# Altium PCB carrier_bak.PcbDoc (part 1 of 5)
Units mil, origin at the board's own origin, x right, y up, seen from the top; angles counter-clockwise.
Board outline 5511.81 x 3425.2 mil, 4 copper layers (Component Side, Power_layer1, Power_layer2, Solder Side), stack 65.912 mil thick; 375 components, 412 nets, 1874 pads, 645 vias.
Unrouted connection lines stored in the file: 33.
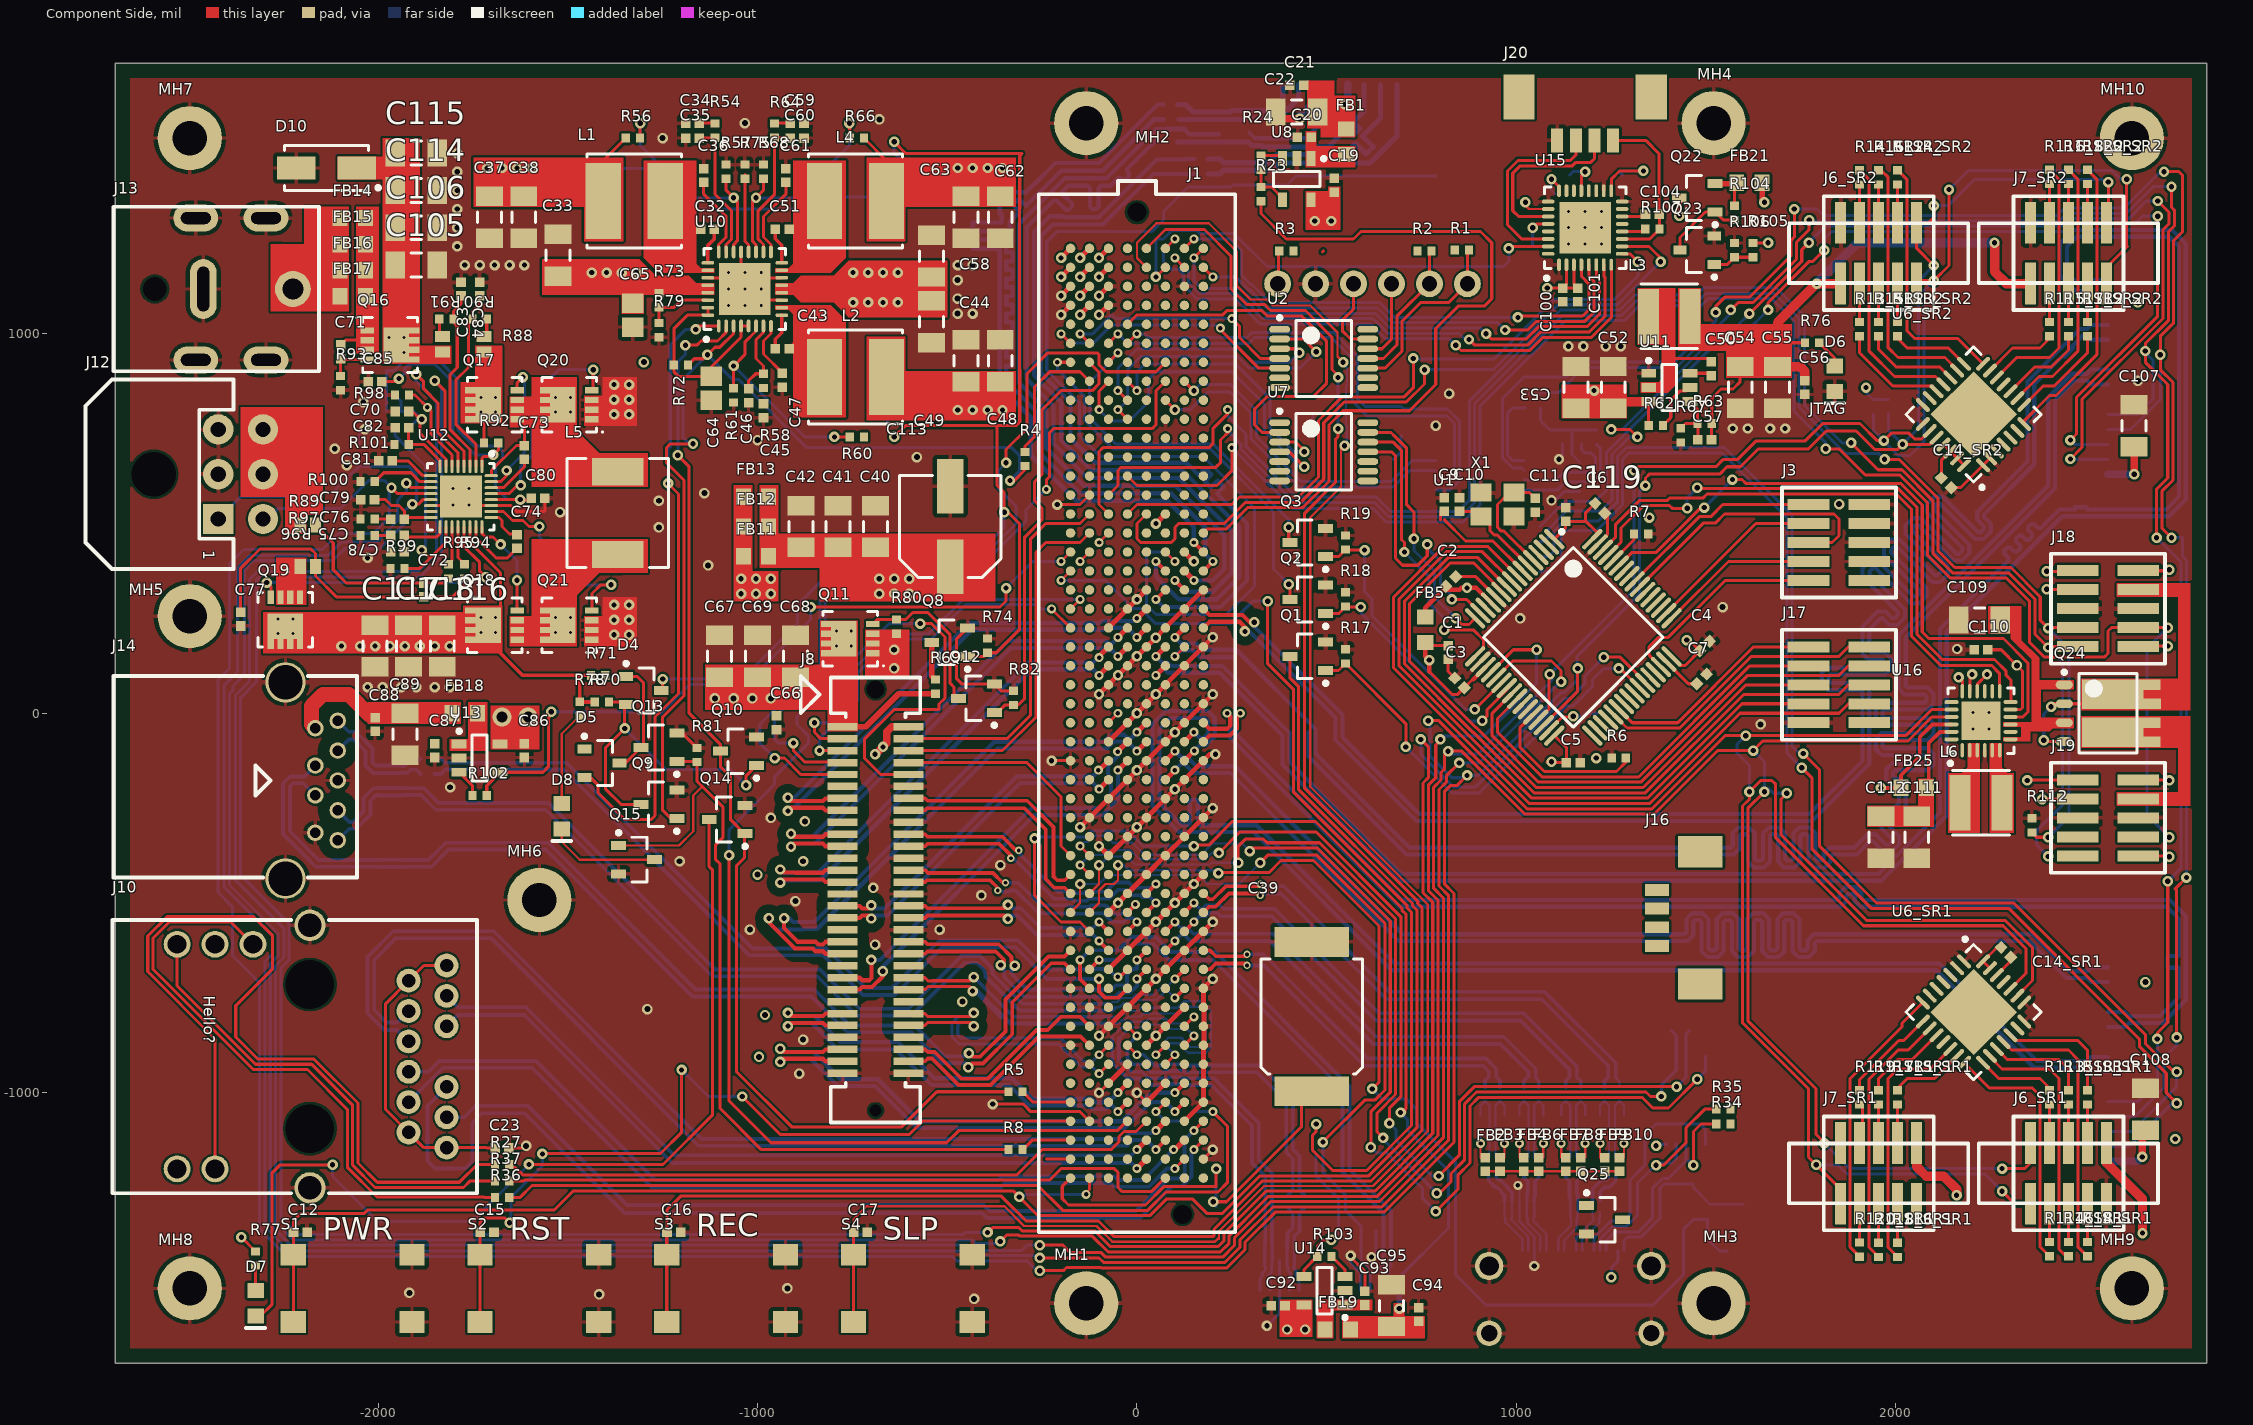
[diagram p0: Component Side view]
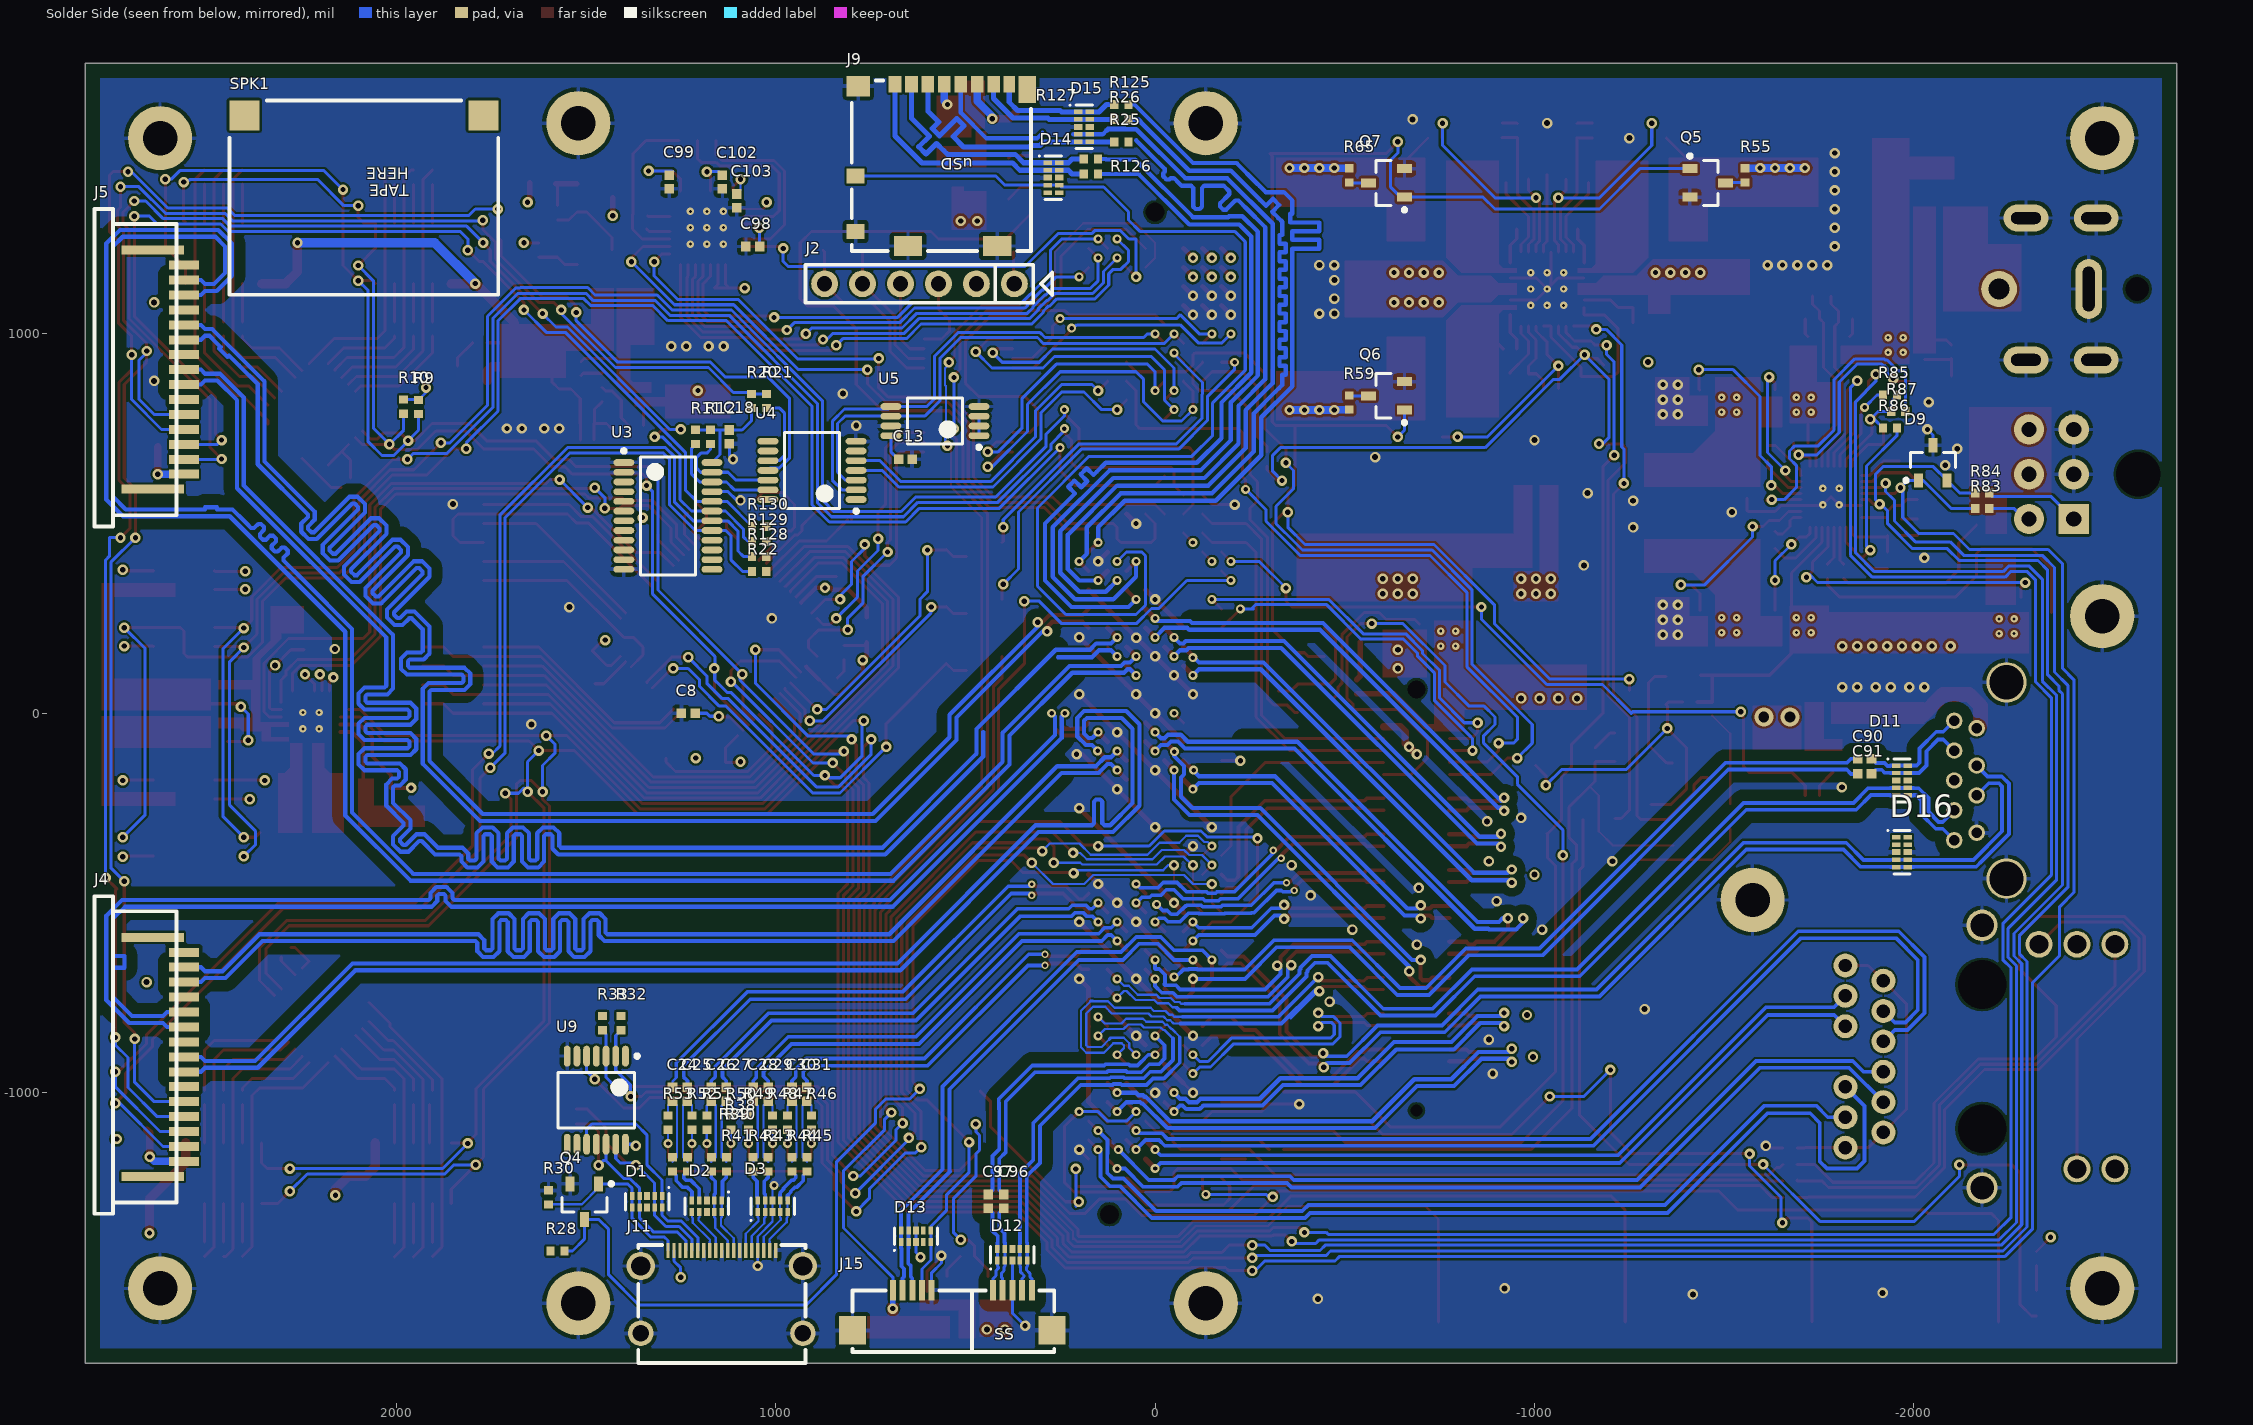
[diagram p1: Solder Side view, seen from below]
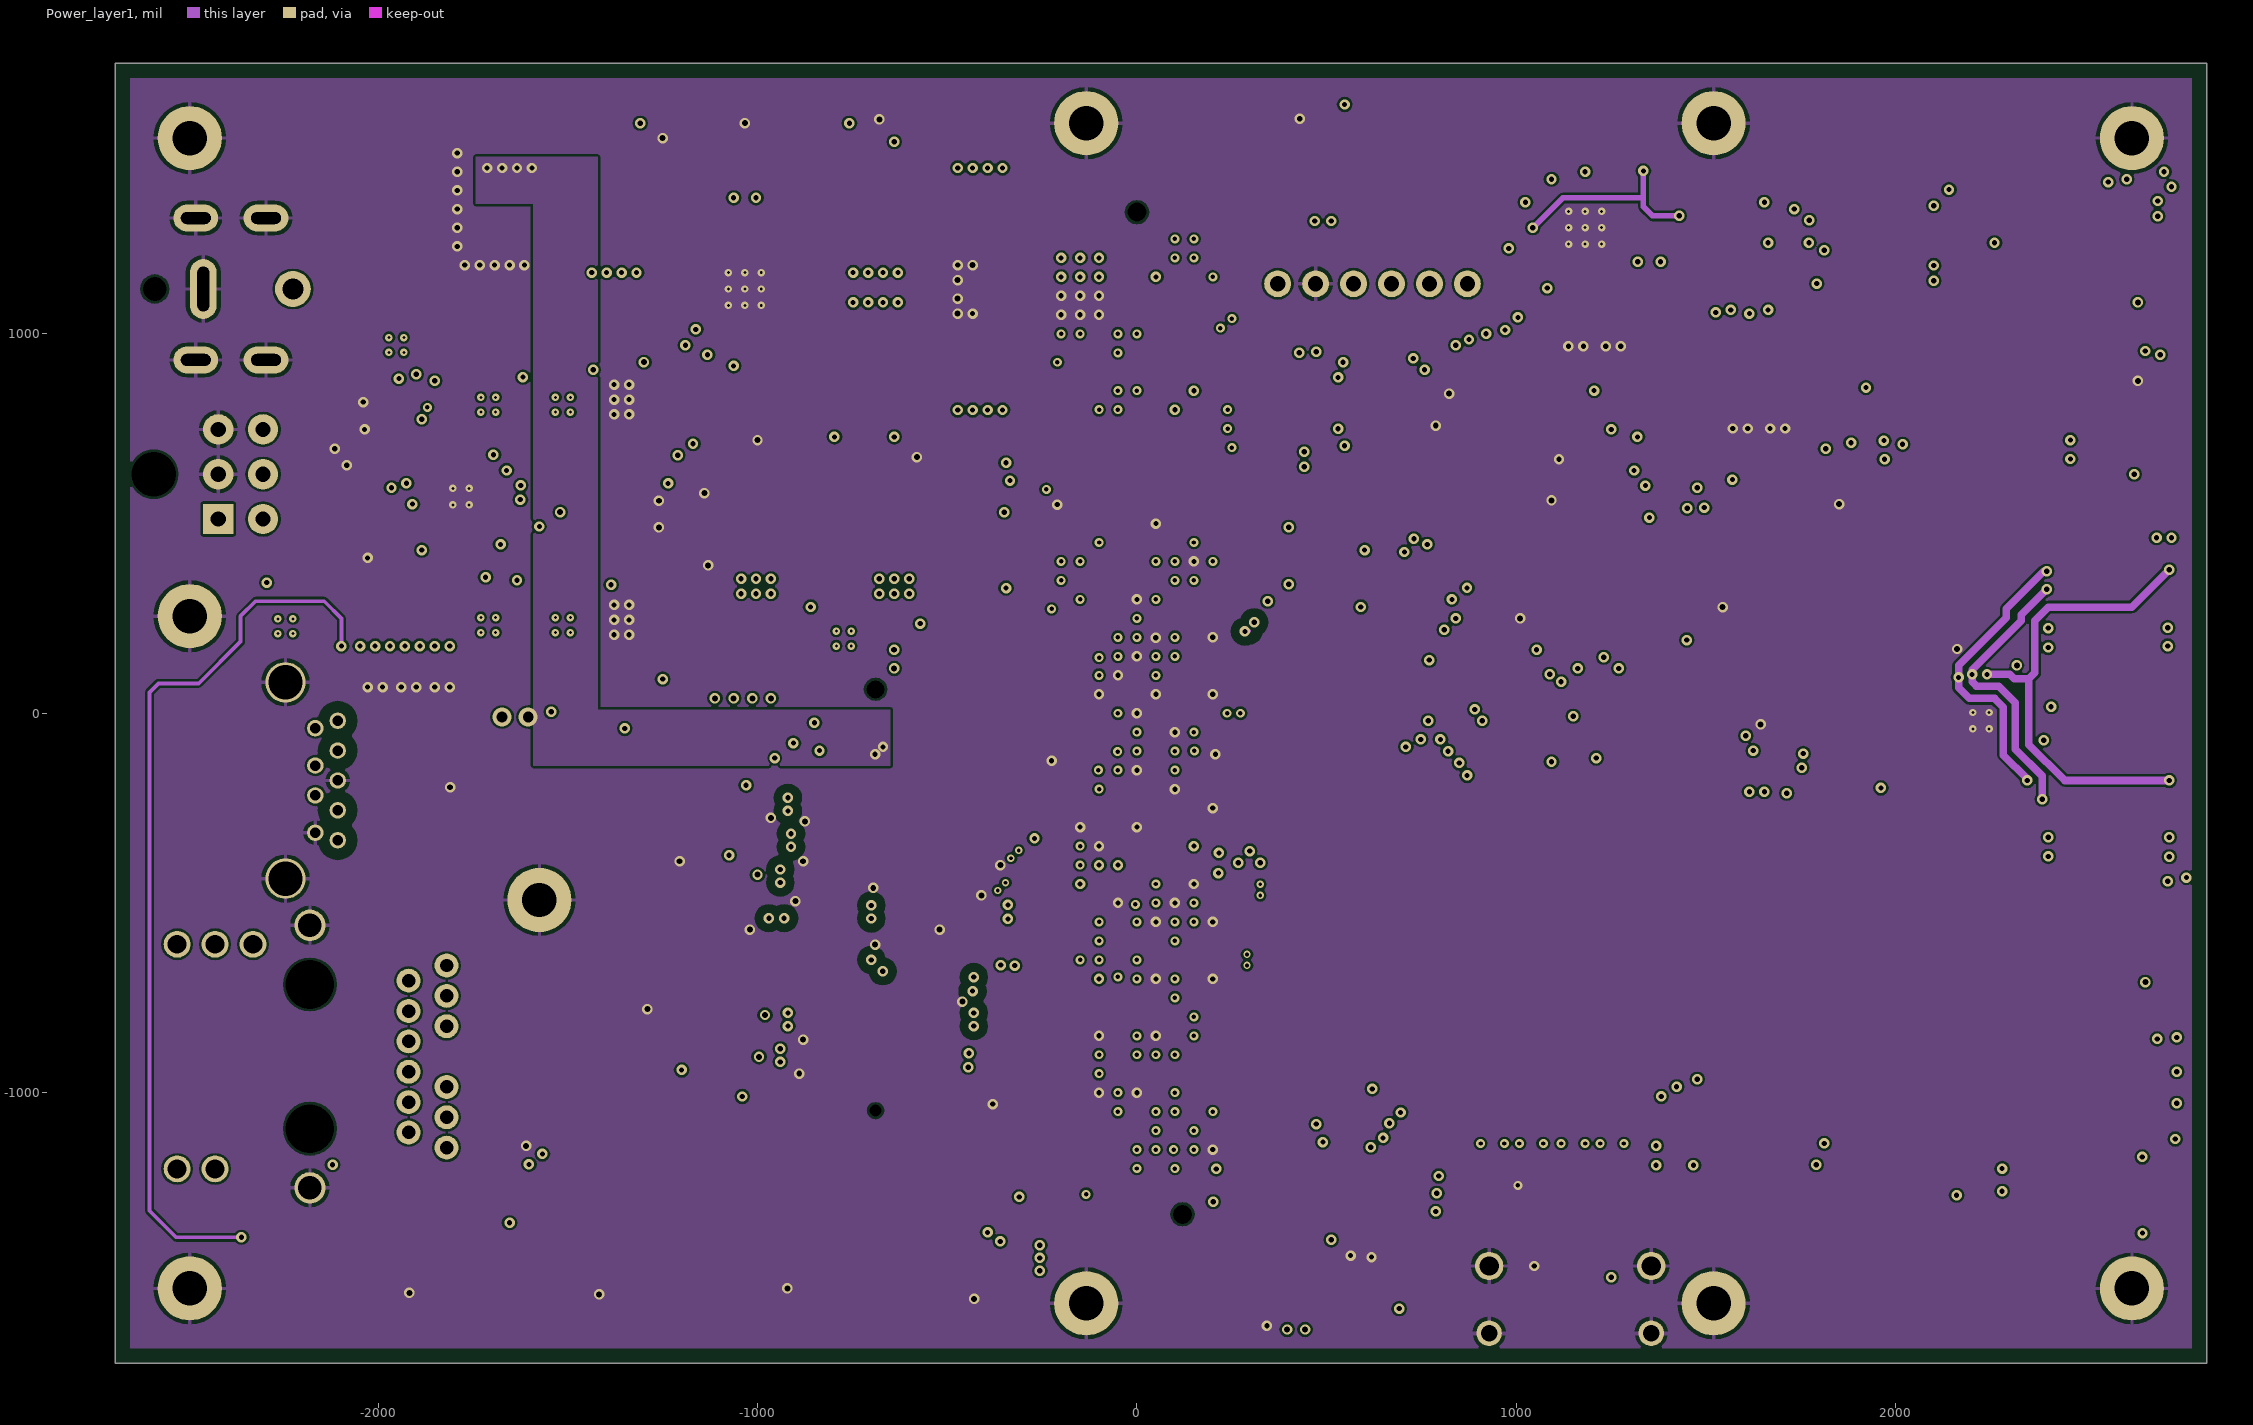
[diagram p2: Power_layer1]
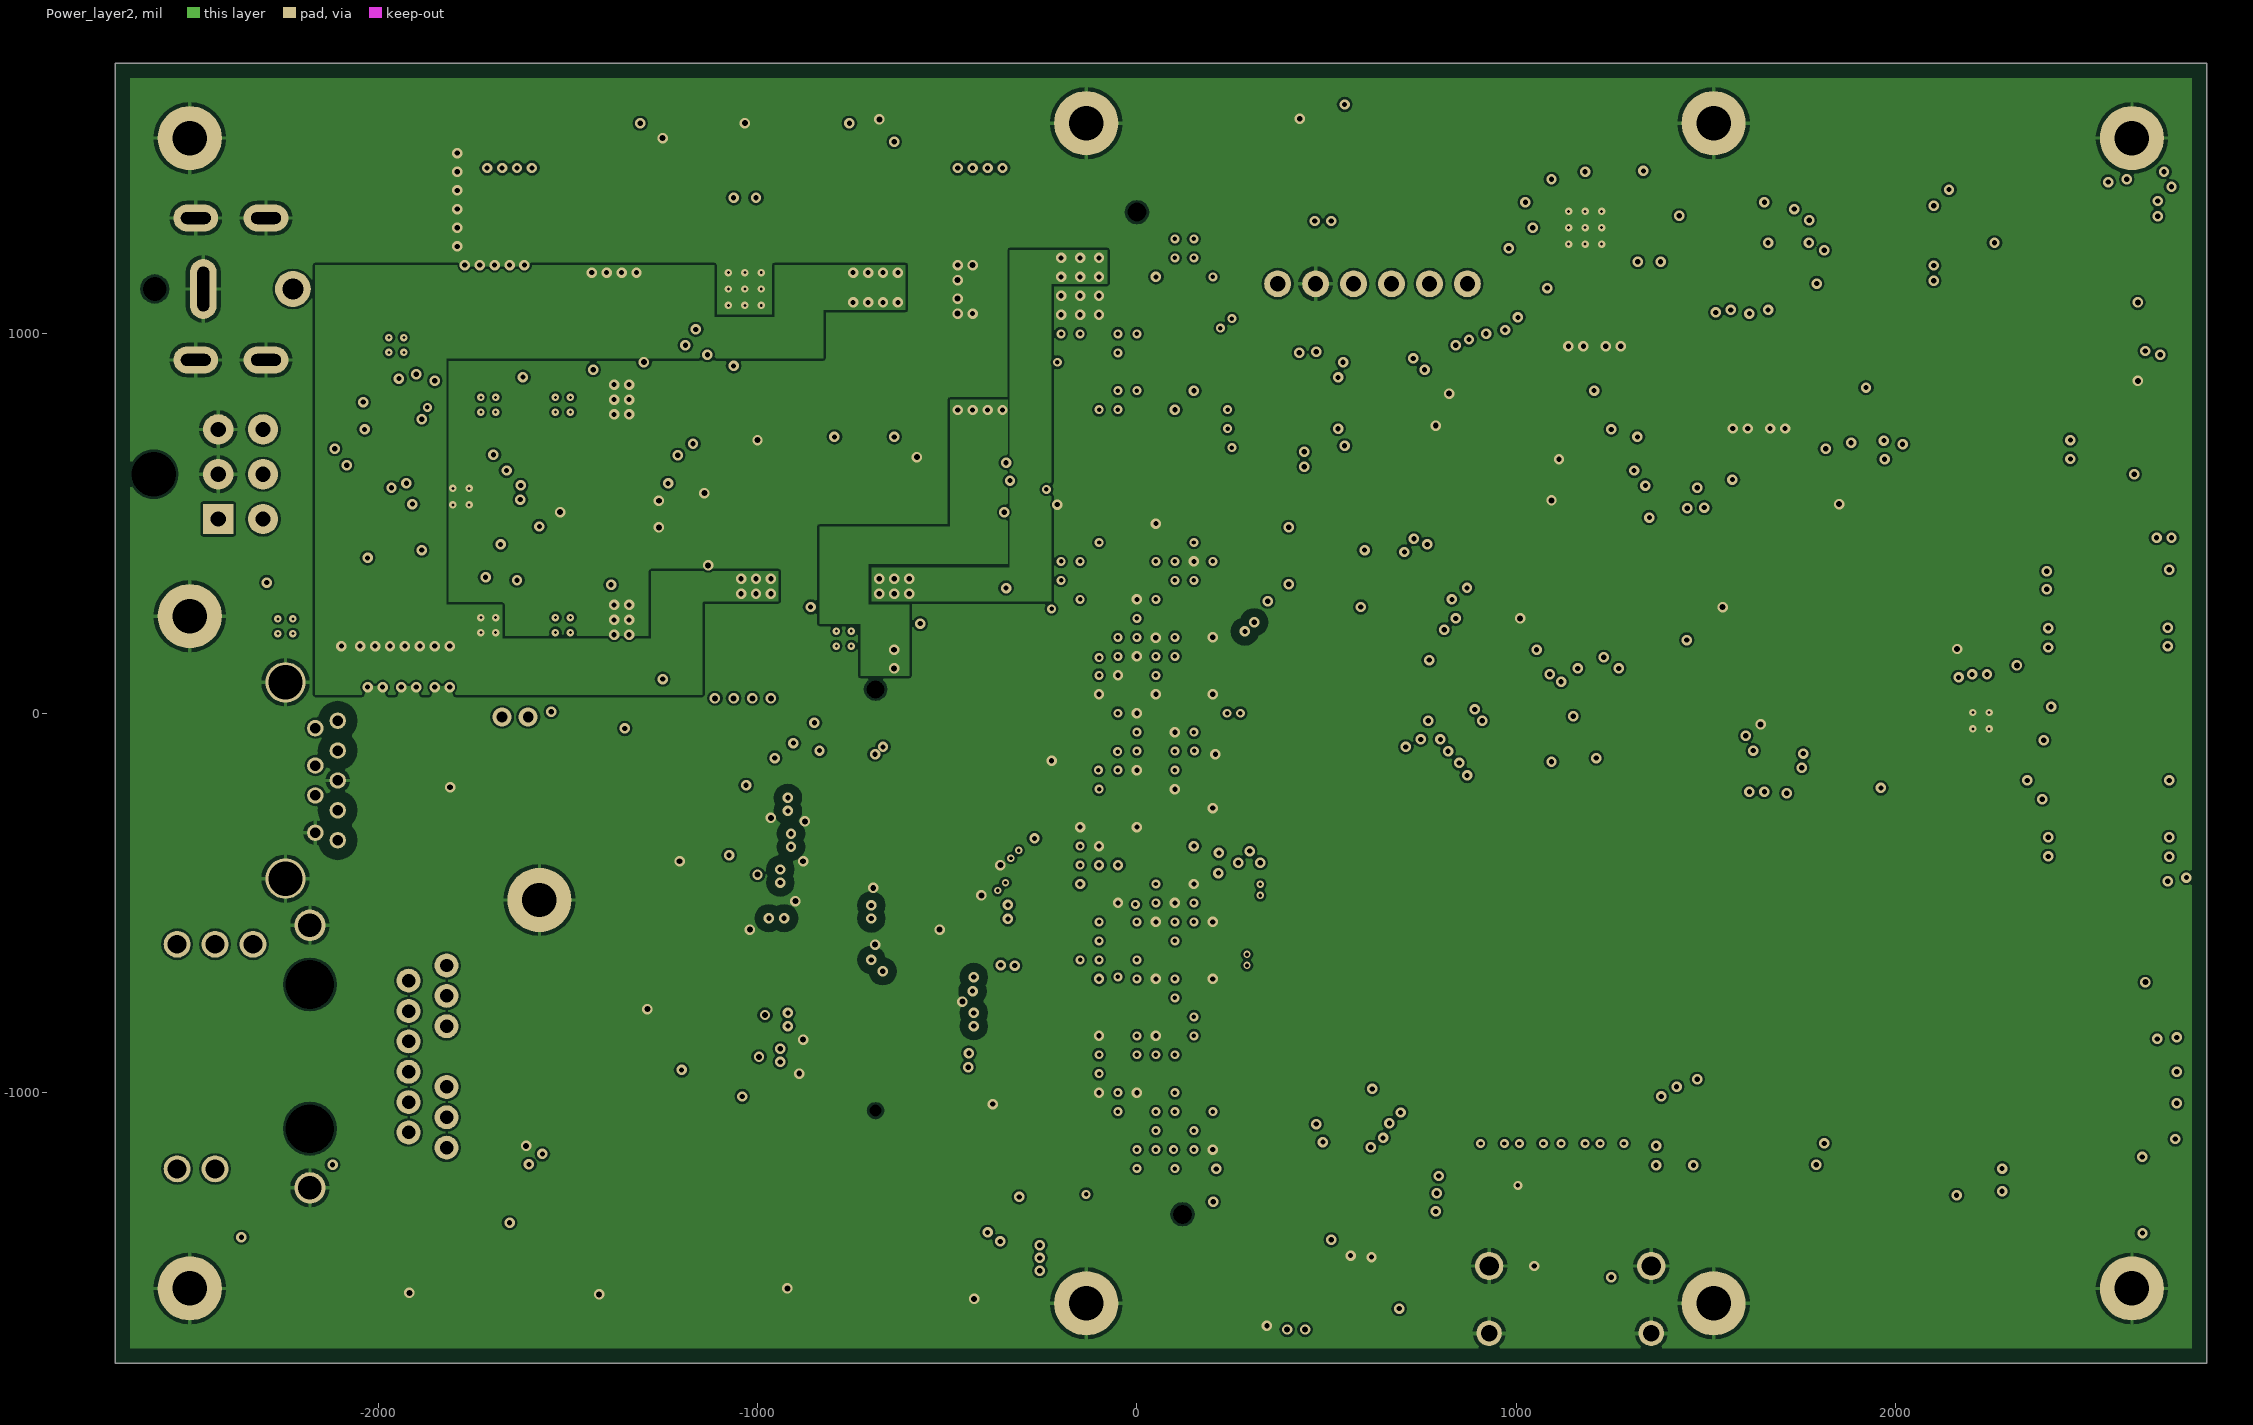
[diagram p3: Power_layer2]

## Layer stack, top to bottom
Top Solder: solder mask 0.4, Solder Resist, Dk 3.5
Component Side: signal copper 1.378
Dielectric 1: prepreg 6.7, FR-4, Dk 3.66
Power_layer1: signal copper 1.378
Dielectric 4: core 47, FR-4, Dk 3.66
Power_layer2: signal copper 1.378
Dielectric 3: prepreg 6.7, FR-4, Dk 3.66
Solder Side: signal copper 1.378
Bottom Solder: solder mask 0.4, Solder Resist, Dk 3.5

## Board outline
-2692.91,-1712.6 2818.9,-1712.6 2818.9,1712.6 -2692.91,1712.6

## Design rules (kind name [scope] priority, off if disabled: settings)
BoardOutlineClearance [All] p1: gap=39.37 ignorepadtopadclearanceinfootprint=FALSE
Clearance Clearance_usb3 [InDifferentialPairClass('usb_diff100') and not WithinRoom('NVM') vs InPolygon] p1: gap=30 ignorepadtopadclearanceinfootprint=FALSE except(15: Via-Fill Via-Poly Via-Region)
Clearance Clearance_csi [InDifferentialPairClass('csi_diff100') and not WithinRoom('NVM') vs InPolygon] p2: gap=30 ignorepadtopadclearanceinfootprint=FALSE except(15: Via-Fill Via-Poly Via-Region)
Clearance Clearance_1 [IsBoardCutoutRegion vs InPolygon] p3: gap=10 ignorepadtopadclearanceinfootprint=FALSE except(0: Arc-Hole Track-Hole SMDPad-Hole THPad-Hole Via-Hole Fill-Hole Poly-Hole Region-Hole Text-Hole)
Clearance [All] p4: gap=6 ignorepadtopadclearanceinfootprint=FALSE except(5: SMDPad-SMDPad)
DiffPairsRouting DiffPairsRouting_sata [InDifferentialPairClass('sata_diff')] p1: maxlimit=10 minlimit=6 mostfreqgap=9.4 toplayer_minwidth=6 toplayer_maxwidth=15 toplayer_prefwidth=9.75 midlayer1_minwidth=6 midlayer1_maxwidth=15 midlayer1_prefwidth=9.75 midlayer2_minwidth=6 midlayer2_maxwidth=15 midlayer2_prefwidth=9.75 bottomlayer_minwidth=6 bottomlayer_maxwidth=15 bottomlayer_prefwidth=9.75 maxuncoupledlength=500
DiffPairsRouting DiffPairsRouting_hdmi [InDifferentialPairClass('hdmi_diff95')] p2: maxlimit=10 minlimit=6 mostfreqgap=9.5 toplayer_minwidth=6 toplayer_maxwidth=10 toplayer_prefwidth=9.7 midlayer1_minwidth=6 midlayer1_maxwidth=10 midlayer1_prefwidth=9.7 midlayer2_minwidth=6 midlayer2_maxwidth=10 midlayer2_prefwidth=9.7 bottomlayer_minwidth=6 bottomlayer_maxwidth=10 bottomlayer_prefwidth=9.7 maxuncoupledlength=500
DiffPairsRouting DiffPairsRouting_usb3 [InDifferentialPairClass('usb_diff100')] p3: maxlimit=10 minlimit=6 mostfreqgap=8 toplayer_minwidth=6 toplayer_maxwidth=15 toplayer_prefwidth=10 midlayer1_minwidth=6 midlayer1_maxwidth=15 midlayer1_prefwidth=10 midlayer2_minwidth=6 midlayer2_maxwidth=15 midlayer2_prefwidth=10 bottomlayer_minwidth=6 bottomlayer_maxwidth=15 bottomlayer_prefwidth=10 maxuncoupledlength=247.64
DiffPairsRouting DiffPairsRouting_mdi [All] p4: maxlimit=20 minlimit=6 mostfreqgap=8 toplayer_minwidth=6 toplayer_maxwidth=20 toplayer_prefwidth=10 midlayer1_minwidth=6 midlayer1_maxwidth=20 midlayer1_prefwidth=10 midlayer2_minwidth=6 midlayer2_maxwidth=20 midlayer2_prefwidth=10 bottomlayer_minwidth=6 bottomlayer_maxwidth=20 bottomlayer_prefwidth=10 maxuncoupledlength=500
DiffPairsRouting DiffPairsRouting_csi [InDifferentialPairClass('csi_diff100')] p5: maxlimit=10 minlimit=6 mostfreqgap=8 toplayer_minwidth=6 toplayer_maxwidth=15 toplayer_prefwidth=10 midlayer1_minwidth=6 midlayer1_maxwidth=15 midlayer1_prefwidth=10 midlayer2_minwidth=6 midlayer2_maxwidth=15 midlayer2_prefwidth=10 bottomlayer_minwidth=6 bottomlayer_maxwidth=15 bottomlayer_prefwidth=10 maxuncoupledlength=500
DiffPairsRouting DiffPairsRouting_usb2 [InDifferentialPairClass('usb_diff90')] p6: maxlimit=10 minlimit=6 mostfreqgap=8 toplayer_minwidth=6 toplayer_maxwidth=15 toplayer_prefwidth=10 midlayer1_minwidth=6 midlayer1_maxwidth=15 midlayer1_prefwidth=10 midlayer2_minwidth=6 midlayer2_maxwidth=15 midlayer2_prefwidth=10 bottomlayer_minwidth=6 bottomlayer_maxwidth=15 bottomlayer_prefwidth=10 maxuncoupledlength=500
DiffPairsRouting [All] p7: maxlimit=10 minlimit=6 mostfreqgap=10 toplayer_minwidth=6 toplayer_maxwidth=15 toplayer_prefwidth=15 midlayer1_minwidth=6 midlayer1_maxwidth=15 midlayer1_prefwidth=15 midlayer2_minwidth=6 midlayer2_maxwidth=15 midlayer2_prefwidth=15 bottomlayer_minwidth=6 bottomlayer_maxwidth=15 bottomlayer_prefwidth=15 maxuncoupledlength=500
HoleSize [All] p1: absolutevalues=TRUE maxlimit=248.03 minlimit=11.81 maxpercent=80.000 minpercent=20.000
MatchedLengths MatchedLengths_csi1 [InNet('CSI0_*')] p1: tolerance=29.53 checknetsindiffpair=FALSE checkdiffpairvsdiffpair=TRUE checkxsignals=TRUE checkothers=TRUE
MatchedLengths MatchedLengths_csi4 [InNet('CSI3_*')] p2: tolerance=29.53 checknetsindiffpair=FALSE checkdiffpairvsdiffpair=TRUE checkxsignals=TRUE checkothers=TRUE
MatchedLengths MatchedLengths_csi3 [InNet('CSI2_*')] p3: tolerance=29.53 checknetsindiffpair=FALSE checkdiffpairvsdiffpair=TRUE checkxsignals=TRUE checkothers=TRUE
MatchedLengths MatchedLengths_csi2 [InNet('CSI1_*')] p4: tolerance=29.53 checknetsindiffpair=FALSE checkdiffpairvsdiffpair=TRUE checkxsignals=TRUE checkothers=TRUE
MatchedLengths MatchedLengths_csi [InDifferentialPairClass('csi_diff100')] p5: tolerance=0.15 checknetsindiffpair=TRUE checkdiffpairvsdiffpair=FALSE checkxsignals=FALSE checkothers=FALSE
MatchedLengths MatchedLengths_sdcard2 [InNet('SDCARD_*')] p6: tolerance=39.37 checknetsindiffpair=FALSE checkdiffpairvsdiffpair=TRUE checkxsignals=TRUE checkothers=TRUE
MatchedLengths MatchedLengths_sdcard [InNet('SDC_*') and not InNet('SDC_CLK')] p7: tolerance=39.37 checknetsindiffpair=FALSE checkdiffpairvsdiffpair=TRUE checkxsignals=TRUE checkothers=TRUE
MatchedLengths MatchedLengths_mdi [InDifferentialPairClass('mdi_diff')] p8: tolerance=5.91 checknetsindiffpair=TRUE checkdiffpairvsdiffpair=FALSE checkxsignals=FALSE checkothers=FALSE
MatchedLengths MatchedLengths_usb3 [InDifferentialPairClass('usb_diff100')] p9: tolerance=5.91 checknetsindiffpair=TRUE checkdiffpairvsdiffpair=FALSE checkxsignals=FALSE checkothers=FALSE
MatchedLengths MatchedLengths_usb2 [InDifferentialPair('USBM2_D') or InDifferentialPair('USB0_D') or InDifferentialPair('USB1_D')] p10: tolerance=39.37 checknetsindiffpair=TRUE checkdiffpairvsdiffpair=FALSE checkxsignals=FALSE checkothers=FALSE
MinimumAnnularRing [All] p1: minimumring=5.91
MinimumSolderMaskSliver [All] p1: minsoldermaskwidth=4
PlaneClearance PlaneClearance_usb [IsDifferentialPair] p1: clearance=100
PlaneClearance [All] p2: clearance=20
PolygonConnect PolygonConnect_decouple [All vs HasFootprint('C3216[1206]')] p1: thpad.connectstyle=Relief thpad.reliefconductorwidth=10 thpad.reliefentries=4 thpad.polygonreliefangle="90 Angle" thpad.airgapwidth=10 smdpad.connectstyle=Direct smdpad.reliefconductorwidth=10 smdpad.reliefentries=4 smdpad.polygonreliefangle="90 Angle" smdpad.airgapwidth=10 via.connectstyle=Relief via.reliefconductorwidth=10 via.reliefentries=4 via.polygonreliefangle="90 Angle" via.airgapwidth=10
PolygonConnect PolygonConnect_via [IsVia] p2: thpad.connectstyle=Relief thpad.reliefconductorwidth=10 thpad.reliefentries=4 thpad.polygonreliefangle="90 Angle" thpad.airgapwidth=10 smdpad.connectstyle=Relief smdpad.reliefconductorwidth=10 smdpad.reliefentries=4 smdpad.polygonreliefangle="90 Angle" smdpad.airgapwidth=10 via.connectstyle=Direct via.reliefconductorwidth=10 via.reliefentries=4 via.polygonreliefangle="90 Angle" via.airgapwidth=10
PolygonConnect [All] p3: connectstyle=Relief reliefconductorwidth=10 reliefentries=4 polygonreliefangle="90 Angle" airgapwidth=10
RoomDefinition USB [InComponentClass('USB')] p1 off: confinementstyle=ConfineIn formatcopy=TRUE lockcomponents=FALSE outline -3573.45,4088.83 2329.4,4088.83 2329.4,4857.57 -3573.45,4857.57
RoomDefinition SR2 [InComponentClass('SR2')] p2 off: confinementstyle=ConfineIn formatcopy=TRUE lockcomponents=FALSE outline 4055.12,8090.55 1102.36,8090.55 1102.36,9133.86 4055.12,9133.86
RoomDefinition SR1 [InComponentClass('SR1')] p3 off: confinementstyle=ConfineIn formatcopy=TRUE lockcomponents=FALSE outline 4429.13,-1712.6 3125.98,-1712.6 3125.98,-740.16 4429.13,-740.16
RoomDefinition SND [InComponentClass('SND')] p4 off: confinementstyle=ConfineIn formatcopy=TRUE lockcomponents=FALSE outline 2863.51,6779.01 10158.16,6779.01 10158.16,7682.59 2863.51,7682.59
RoomDefinition PS1 [InComponentClass('PS1')] p5 off: confinementstyle=ConfineIn formatcopy=TRUE lockcomponents=FALSE outline -1747.93,1963.01 37459.78,1963.01 37459.78,6543.2 -1747.93,6543.2
RoomDefinition NVM [InComponentClass('NVM')] p6 off: confinementstyle=ConfineIn formatcopy=TRUE lockcomponents=FALSE outline -271.65,-1377.95 279.53,-1377.95 279.53,1476.38 -271.65,1476.38
RoomDefinition M2 [InComponentClass('M2')] p7 off: confinementstyle=ConfineIn formatcopy=TRUE lockcomponents=FALSE outline -2518.03,1763.72 1159.32,1763.72 1159.32,3064.97 -2518.03,3064.97
RoomDefinition GPIO [InComponentClass('GPIO')] p8 off: confinementstyle=ConfineIn formatcopy=TRUE lockcomponents=FALSE outline 2863.51,275.59 6587.12,275.59 6587.12,1759.08 2863.51,1759.08
RoomDefinition ETH [InComponentClass('ETH')] p9 off: confinementstyle=ConfineIn formatcopy=TRUE lockcomponents=FALSE outline -3422.67,-2885.78 8930.3,-2885.78 8930.3,-1805.02 -3422.67,-1805.02
RoomDefinition carrier [InComponentClass('carrier')] p10 off: confinementstyle=ConfineIn formatcopy=TRUE lockcomponents=FALSE outline 3037.13,-761.83 15552.5,-761.83 15552.5,45.29 3037.13,45.29
RoomDefinition CAM0 [InComponentClass('CAM0')] p11 off: confinementstyle=ConfineIn formatcopy=TRUE lockcomponents=FALSE outline 4425.2,-1913.39 2988.19,-1913.39 2988.19,-2244.09 4425.2,-2244.09
RoutingVias RoutingVias_hdmi [InDifferentialPairClass('hdmi_diff95')] p1: holewidth=10 width=19.68 viastyle="Through Hole" minholewidth=10 minwidth=18 maxholewidth=260 maxwidth=39.37
RoutingVias [All] p2: holewidth=13.78 width=27.56 viastyle="Through Hole" minholewidth=7.87 minwidth=21.65 maxholewidth=39.37 maxwidth=78.74
SolderMaskExpansion [All] p1: expansion=4
UnRoutedNet [All] p1: checkbadconnections=TRUE
Width Width_50ohm [InNetClass('50ohm')] p1: maxlimit=20 minlimit=10 preferedwidth=13.5
Width [All] p2: maxlimit=78.74 minlimit=6 preferedwidth=8
25 further rules are at their usual default settings.
